# Altium PCB Hands_free_ControlUnit_V1.PcbDoc (part 1 of 3)
Units mm, origin at the board's own origin, x right, y up, seen from the top; angles counter-clockwise.
Board outline 60.25 x 90.27 mm, 2 copper layers (Top Layer, Bottom Layer); 33 components, 66 nets, 337 pads, 84 vias.
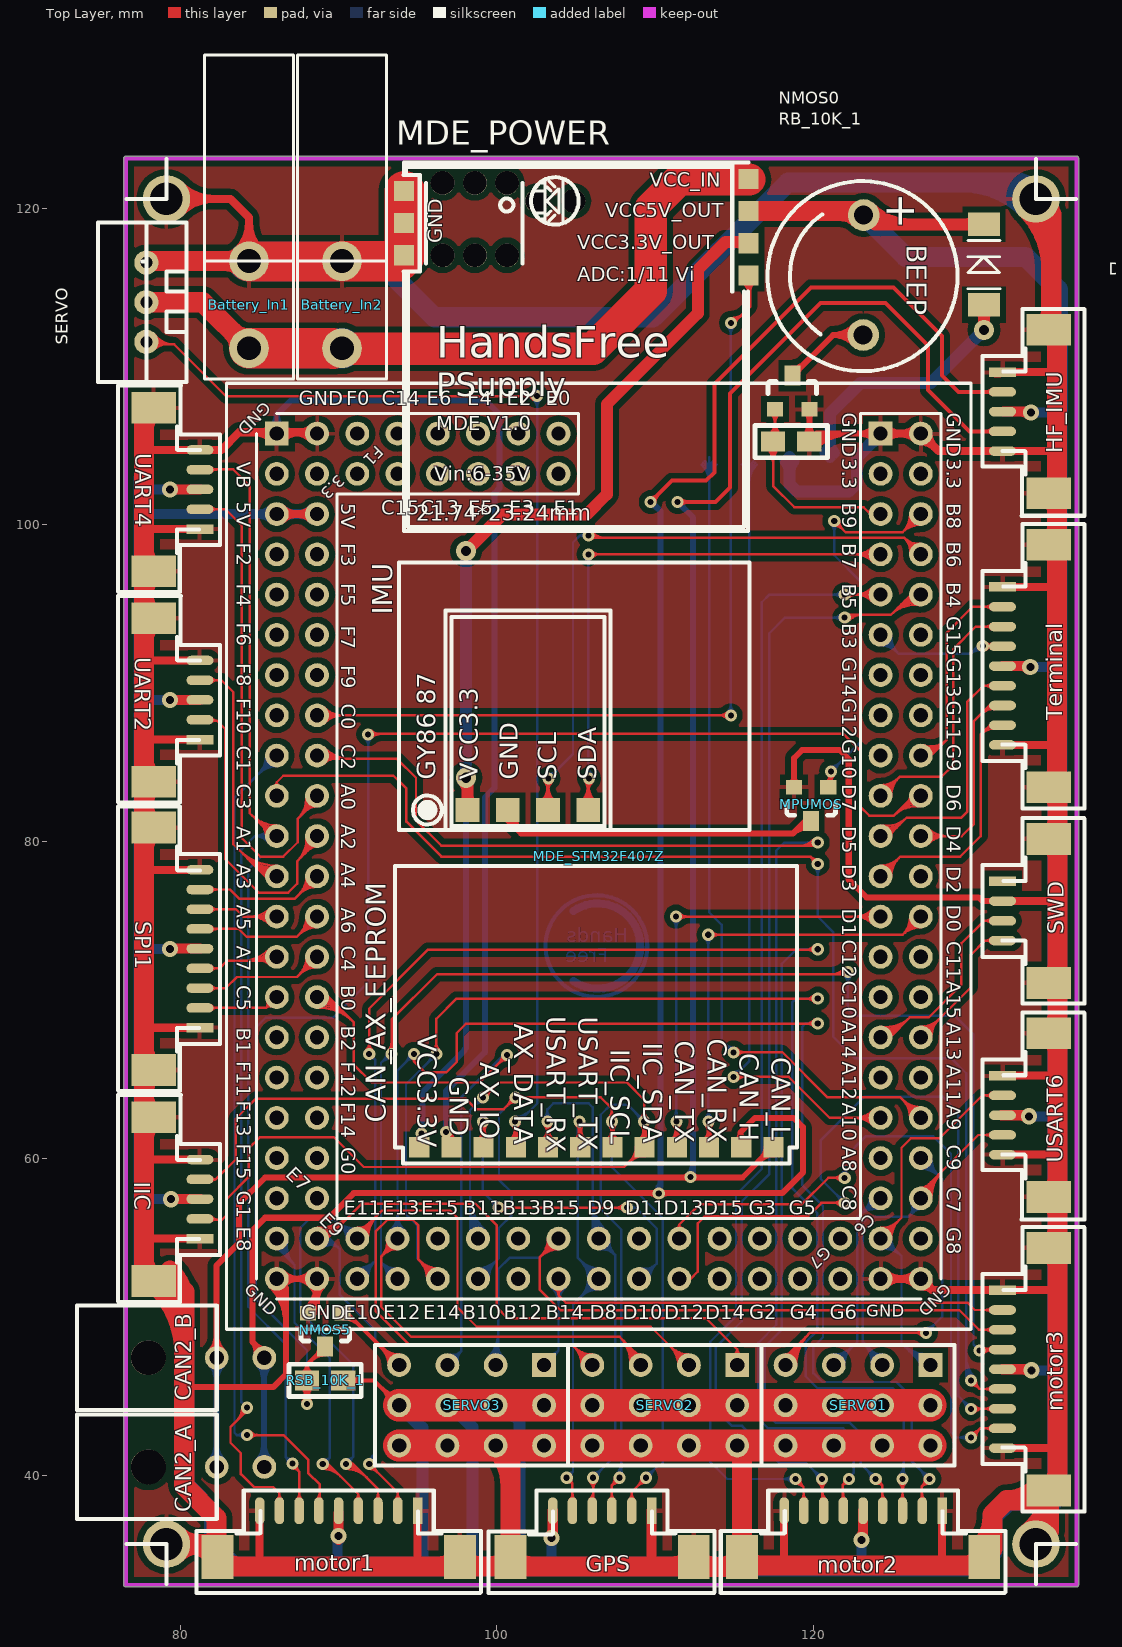
[diagram p0: Top Layer view]
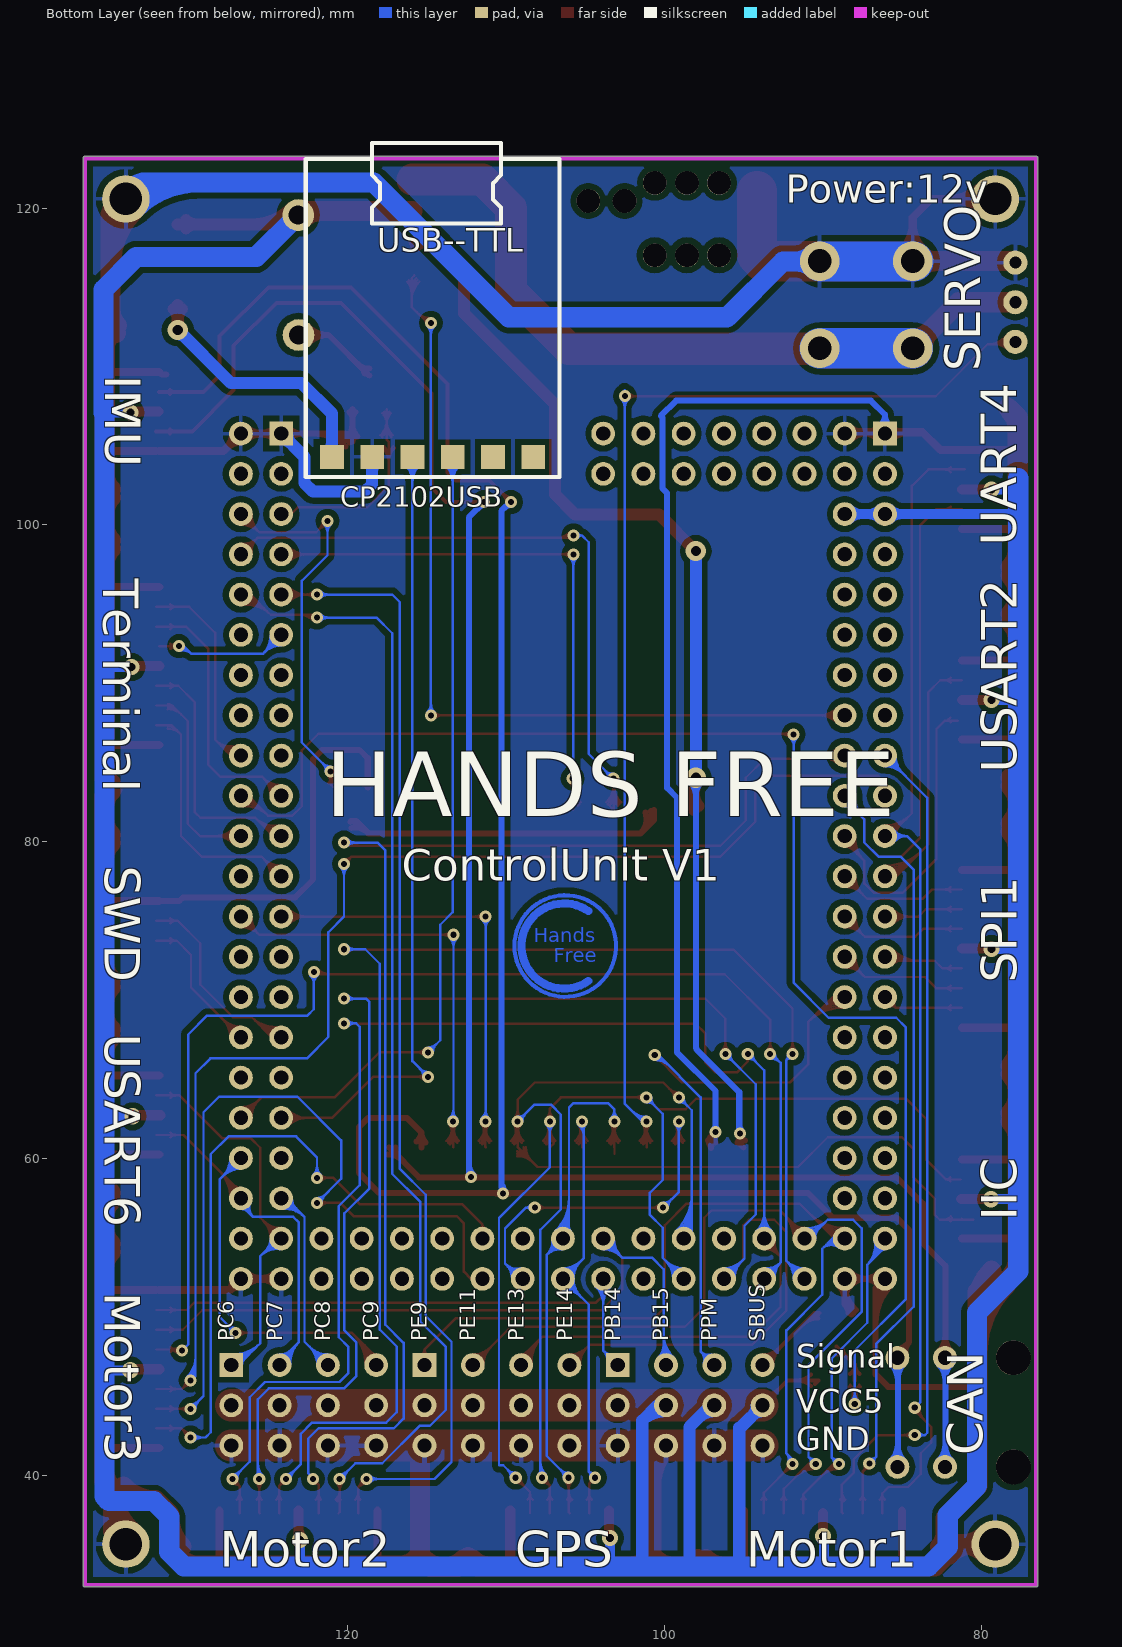
[diagram p1: Bottom Layer view, seen from below]

## Layer stack, top to bottom
Top Layer: signal copper 0.0356
Dielectric: dielectric 0.32, FR-4, Dk 4.8
Bottom Layer: signal copper 0.0356

## Board outline
76.454,33.122 76.454,123.063 cw(c76.581,123.063) 76.459,123.101 cw(c76.581,123.139) 76.581,123.267 136.576,123.267 cw(c136.576,123.139) 136.703,123.139 136.703,33.122 cw(c136.576,33.122) 136.576,32.994 76.581,32.994 cw(c76.581,33.122)

## Design rules (kind name [scope] priority, off if disabled: settings)
Clearance [All] p1: gap=0.203
ComponentClearance [All] p1 off: gap=0.254 collisioncheckmode=3 verticalgap=0.254 showdistances=FALSE
Height [All] p1 off: minheight=0 maxheight=25.4 prefheight=12.7
PolygonConnect [All] p1: connectstyle=Relief reliefconductorwidth=0.254 reliefentries=4 polygonreliefangle="90 Angle"
RoutingVias [All] p1: holewidth=0.381 width=0.762 viastyle="Through Hole" minholewidth=0.381 minwidth=0.762 maxholewidth=2.54 maxwidth=5.08
SilkscreenOverComponentPads [All] p1: minsilkscreentomaskgap=0.254
SolderMaskExpansion [All] p1: expansion=0.102
Width [All] p1: maxlimit=2.54 minlimit=0.152 preferedwidth=0.152
25 further rules are at their usual default settings.

## Components (designator, comment, footprint, x,y, rotation, side; value= is the part's Value field where it differs from the comment)
Battery_In1 "HDR_Header_Power_2P" HDR_MOLEX_POWER5557_DH_2P 84.353,111.15 r90 top
Battery_In2 "HDR_Header_Power_2P" HDR_MOLEX_POWER5557_DH_2P 90.221,111.15 r90 top
BEEP "ELE_蜂鸣器12*X" ELE_蜂鸣器_D_12*X 123.088,115.773 r270 top
CAN2_A "HDR_HEADER_CAN_DH_2P" HDR_MOLEX_CANMX3.0_DH_2P 85.319,40.564 r180 top
CAN2_B "HDR_HEADER_CAN_DH_2P" HDR_MOLEX_CANMX3.0_DH_2P 85.319,47.447 r180 top
CAN_AX_EEPROM "MDE_CAN_AX_EEPROM" MDE_CAN_AX_EEPROM 106.274,69.875 r0 top
"ControlUnit V1" "LOGO" LOGO 109.423,73.812 r180 bottom (schematic designator ControlUnit)
CP2102USB "MDE_CP2102-TTLUSB" MDE_CP2102-TTLUSB_BASE 108.306,104.292 r270 bottom
D1 "1N4148" ELE_D1206 133.274,113.894 r90 top
GPS "HANDS_FREE_GPS" HDR_Molex_PH_1.25_6P 109.753,37.795 r180 top
HF_IMU "HANDS_FREE_IMU" HDR_Molex_PH_1.25_5P 131.902,109.652 r270 top
IIC "HANDS_FREE_IIC" HDR_Molex_PH_1.25_5P 81.255,54.966 r90 top
IMU "MDE_GY86_87" MDE_GY86_GY87_BASE 93.828,80.747 r90 top
MDE_POWER "MDE_POWERSupply_5.0V_3.3V" MDE_POWERSupply_5.0V_3.3V 93.878,99.619 r0 top
MDE_STM32F407Z "MDE_UNIT3-CORE_STM32F407ZG" MDE_UNIT3-CORE_STM32F407ZG 106.426,79.099 r270 top
motor1 "*MOTOR" HDR_Molex_PH_1.25_9P 94.996,37.795 r180 top
motor2 "*MOTOR" HDR_Molex_PH_1.25_9P 128.092,37.795 r180 top
motor3 "*MOTOR" HDR_Molex_PH_1.25_9P 131.902,51.714 r270 top
MPUMOS "SIS412DN" CHP_SOT23_P_3P 120.904,83.439 r180 top
NMOS0 "SIS412DN" CHP_SOT23_P_3P 117.551,107.315 r0 top
NMOS5 "SIS412DN" CHP_SOT23_P_3P 90.246,50.267 r180 top
RB_10K_1 "ELE_RES_1" ELE_0805_P 119.71,105.258 r180 top
RSB_10K_1 "ELE_RES_1" ELE_0805_P 88.013,46.025 r0 top
SERVO "HDR_Header_1*3" HDR_数字舵机接口_D 77.876,111.557 r180 top
SERVO1 "HDR_Header_4*3" HDR_Header_3.00_DV_3*4 127.356,46.99 r180 top
SERVO2 "HDR_Header_4*3" HDR_Header_3.00_DV_3*4 115.164,46.99 r180 top
SERVO3 "HDR_Header_4*3" HDR_Header_3.00_DV_3*4 102.972,46.99 r180 top
SPI1 "HANDS_FREE_SPI" HDR_Molex_PH_1.25_9P 81.255,68.275 r90 top
SWD "HANDS_FREE_SWD" HDR_Molex_PH_1.25_4P 131.902,77.521 r270 top
Terminal "HANDS_FREE_TERMINAL" HDR_Molex_PH_1.25_9P 131.902,96.088 r270 top
UART2 "HANDS_FREE_USART" HDR_Molex_PH_1.25_5P 81.255,86.462 r90 top
UART4 "HANDS_FREE_USART" HDR_Molex_PH_1.25_5P 81.255,99.746 r90 top
USART6 "HANDS_FREE_USART" HDR_Molex_PH_1.25_5P 131.902,65.253 r270 top

## Footprints (in the part's own frame and the unit in brackets; to place one, negate y for a bottom-side part, rotate by r counter-clockwise, add the part's x,y. Pads: shape width x height; smd on the part's side, far side on the other; paste and mask are expansions set on the pad)
CHP_SOT23_P_3P [mil]
  rect 40x36 smd: 1(0,0) 2(85,0)
  rect 40x50 smd: 3(43,83)
  silkscreen extent -18,39 103,69
ELE_0805_P [mil]
  rect 60x50 smd: 1(0,0) 2(90,0)
  silkscreen extent -45,-40 135,40
ELE_D1206 [mm]
  rect 1.5x2 smd: 1(0,2.54) 2(5.08,2.54)
  silkscreen extent 1.02,1.52 4.06,3.56
ELE_蜂鸣器_D_12*X [mm]
  round 2 hole 1.2: 1(-3.785,0.051) 2(3.785,0.025)
  silkscreen extent -5.93,-6.02 6.07,5.97
HDR_Header_3.00_DV_3*4 [mm] "Connector; Header; 10x2 Position"
  rect 1.5x1.5 hole 0.9: 1(0,0)
  round 1.5 hole 0.9: 2(0,2.54) 3(0,5.08) 4(3.048,0) 5(3.048,2.54) 6(3.048,5.08) 7(6.096,0) 8(6.096,2.54) 9(6.096,5.08) 10(9.144,0) 11(9.144,2.54) 12(9.144,5.08)
  silkscreen extent -1.52,-1.27 10.67,6.35
HDR_MOLEX_CANMX3.0_DH_2P [mm]
  round 1.5 hole 0.9: 1(0,0) 2(3,0)
  round 2.2 hole 2.2: 3(7.315,0)
  silkscreen extent 3,-3.3 11.81,3.3
HDR_Molex_PH_1.25_4P [mm]
  rect 0.6x1.7 smd: 1(0,0)
  oval 0.6x1.7 smd: 2(1.25,0) 3(2.5,0) 4(3.745,0)
  rect 2x2.8 smd: 5(-2.667,2.921) 6(6.417,2.921)
  silkscreen extent -3.99,-1.27 7.72,5.18
HDR_Molex_PH_1.25_5P [mm]
  rect 0.6x1.7 smd: 1(0,0)
  oval 0.6x1.7 smd: 2(1.25,0) 3(2.5,0) 4(3.745,0) 5(4.989,0)
  rect 2x2.8 smd: 6(-2.667,2.921) 7(7.656,2.921)
  silkscreen extent -3.99,-1.27 9.07,5.18
HDR_Molex_PH_1.25_6P [mm]
  rect 0.6x1.7 smd: 1(0,0)
  oval 0.6x1.7 smd: 2(1.25,0) 3(2.5,0) 4(3.745,0) 5(4.989,0) 6(6.234,0)
  rect 2x2.8 smd: 7(-2.667,2.921) 8(8.901,2.921)
  silkscreen extent -3.99,-1.27 10.29,5.18
HDR_Molex_PH_1.25_9P [mm]
  rect 0.6x1.7 smd: 1(0,0)
  oval 0.6x1.7 smd: 2(1.25,0) 3(2.5,0) 4(3.745,0) 5(4.989,0) 6(6.234,0) 7(7.478,0) 8(8.723,0) 9(9.968,0)
  rect 2x2.8 smd: 10(-2.667,2.921) 11(12.635,2.921)
  silkscreen extent -3.99,-1.27 13.97,5.18
HDR_MOLEX_POWER5557_DH_2P [mm]
  round 2.5 hole 1.5: 1(0,0) 2(5.5,0)
  silkscreen extent -1.95,-2.8 18.5,2.8
HDR_数字舵机接口_D [mil]
  round 60 hole 30: 1(0,0) 2(0,-98.43) 3(0,-196.85)
  silkscreen extent -100,-297 120,100
LOGO [mm]
  Top Layer circle w0.254: c3.145,-0.381 r3.205
  Top Layer lines w0.508: 4.605,1.821 ccw(c3.066,-0.382) 4.594,-2.593
MDE_CAN_AX_EEPROM [mil]
  rect 50x50 smd: 1(440,-360) 2(360,-360) 3(280,-360) 4(200,-360) 5(120,-360) 6(40,-360) 7(-40,-360) 8(-120,-360) 9(-200,-360) 10(-280,-360) 11(-360,-360) 12(-440,-360)
  silkscreen extent -500,-400 498,339
MDE_CP2102-TTLUSB_BASE [mil]
  rect 59x59 smd: 1(0,0) 2(0,-100) 3(0,-200) 4(0,-300) 5(0,-400) 6(0,-500)
  silkscreen extent -780,-565 50,65
MDE_GY86_GY87_BASE [mil]
  rect 59x59 smd: 1(50,-170) 2(50,-270) 3(50,-370) 4(50,-470)
  silkscreen extent 0,-870 665,0
MDE_POWERSupply_5.0V_3.3V [mil]
  round 59.06 hole 59.06: 0(106,685) 0(106,865) 0(186,685) 0(186,865) 0(266,685) 0(266,865) 0(341,820) 0(431,820)
  rect 50x50 smd: 1(866,875) 2(866,795) 3(866,715) 4(866,635) 5(10,685) 5(10,765) 5(10,845)
  silkscreen extent 9,0 866,915
MDE_UNIT3-CORE_STM32F407ZG [mm]
  round 1.5 hole 0.9: 1(-26.67,-5.08) 2(-24.13,-5.08) 3(-26.67,-7.62) 4(-24.13,-7.62) 5(-26.67,-10.16) 6(-24.13,-20.32) 7(-24.13,-10.16) 8(-26.67,-12.7) 9(-24.13,-12.7) 10(-26.67,-15.24) 11(-24.13,-15.24) 12(-19.05,-20.32) 13(-19.05,-17.78) 14(-16.51,-20.32) 15(-16.51,-17.78) 18(-13.97,-20.32) 19(-13.97,-17.78) 20(-11.43,-20.32) 21(-11.43,-17.78) 22(-8.89,-20.32) 26(-8.89,-17.78) 27(-6.35,-20.32) 28(-6.35,-17.78) 29(-3.81,-20.32) 34(-3.81,-17.78) 35(-1.27,-20.32) 36(-1.27,-17.78) 37(1.27,-20.32) 40(1.27,-17.78) 41(3.81,-20.32) 42(3.81,-17.78) 43(6.35,-20.32) 44(6.35,-17.78) 45(8.89,-20.32) 46(8.89,-17.78) 47(11.43,-20.32) 48(11.43,-17.78) 49(13.97,-20.32) 50(13.97,-17.78) 53(16.51,-20.32) 54(16.51,-17.78) 55(19.05,-20.32) 56(19.05,-17.78) 57(21.59,-20.32) 58(21.59,-17.78) 59(24.13,-20.32) 60(24.13,-17.78) 63(26.67,-15.24) 64(24.13,-15.24) 65(26.67,-12.7) 66(24.13,-12.7) 67(26.67,-10.16) 68(24.13,-10.16) 69(26.67,-7.62) 70(24.13,-7.62) 73(26.67,-5.08) 74(24.13,-5.08) 75(26.67,-2.54) 76(24.13,-2.54) 77(26.67,0) 78(24.13,0) 79(26.67,2.54) 80(24.13,2.54) 81(26.67,5.08) 82(24.13,5.08) 85(26.67,7.62) 86(24.13,7.62) 87(26.67,10.16) 88(24.13,10.16) 89(26.67,12.7) 90(24.13,12.7) 91(26.67,15.24) 92(24.13,15.24) 93(24.13,20.32) 96(24.13,17.78) 97(21.59,20.32) 98(21.59,17.78) 99(19.05,20.32) 100(19.05,17.78) 101(16.51,20.32) 102(16.51,17.78) 103(13.97,20.32) 104(13.97,17.78) 105(11.43,20.32) 109(11.43,17.78) 110(8.89,20.32) 111(8.89,17.78) 112(6.35,20.32) 113(6.35,17.78) 114(3.81,20.32) 115(3.81,17.78) 116(1.27,20.32) 117(1.27,17.78) 118(-1.27,20.32) 119(-1.27,17.78) 122(-3.81,20.32) 123(-3.81,17.78) 124(-6.35,20.32) 125(-6.35,17.78) 126(-8.89,20.32) 127(-8.89,17.78) 128(-11.43,20.32) 129(-11.43,17.78) 132(-13.97,20.32) 133(-13.97,17.78) 134(-16.51,20.32) 135(-16.51,17.78) 136(-19.05,20.32) 137(-19.05,17.78) 139(-21.59,20.32) 140(-21.59,17.78) 141(-26.67,-2.54) 142(-24.13,-2.54) 200(-21.59,-17.78) 201(-21.59,-20.32) 202(-24.13,20.32) 203(-24.13,17.78) 206(-26.67,-17.78) 207(-24.13,-17.78) 210(26.67,-20.32) 211(26.67,-17.78) 212(26.67,17.78) 213(26.67,20.32) 214(-26.67,20.32)
  rect 1.5x1.5 hole 0.9: 208(-26.67,-20.32) 215(-26.67,17.78)
  silkscreen extent -29.85,-23.5 29.85,23.5

## Part data
CP2102USB: "CP2102模块"
D1: library part ELE_Diode, "二?"
IMU: "IMUģ?"
motor1 motor2 motor3: library part HANDS_FREE_MOTOR
MPUMOS NMOS0 NMOS5: library part ELE_NMOS_1, "MOS管"
RB_10K_1 RSB_10K_1: "电?"

## Free pads (board coordinates)
  round 3 hole 2.05: 1(79.146,120.574) 2(134.01,120.574) 3(134.01,35.687) 4(79.146,35.687)

## Via types
v1: diameter 0.762, hole 0.381, Top Layer to Bottom Layer, 70 vias
v2: diameter 1.016, hole 0.508, Top Layer to Bottom Layer, 11 vias
v3: diameter 1.27, hole 0.635, Top Layer to Bottom Layer, 3 vias

## Nets (pads, with @x,y where several pads share a name; then routed paths per layer and width w, separated by ;. In a path a pad name is that pad's centre, name@x,y a point inside that pad or via, vN(x,y) a via of type N, cw(c..) or ccw(c..) an arc to the next point about the centre after c; other vN are vias at no path point)
ADC_IN_POWER: MDE_POWER.4 MDE_STM32F407Z.26 | length 70.4
  Top Layer w0.152: MDE_STM32F407Z.26@88.646,87.989 114.71,87.989 v1@114.757,88.036 ; MDE_STM32F407Z.26@88.907,87.728 cw(c89.537,87.098) 89.537,87.989 cw(c89.537,88.88) MDE_STM32F407Z.26@88.907,88.25 ; MDE_STM32F407Z.26@89.015,87.62 cw(c89.905,86.73) 89.905,87.989 cw(c89.905,89.248) MDE_STM32F407Z.26@89.015,88.358 ; MDE_STM32F407Z.26@89.122,87.513 cw(c90.273,86.362) 90.273,87.989 cw(c90.273,89.616) MDE_STM32F407Z.26@89.122,88.466 ; 114.013,87.989 cw(c114.013,87.241) v1@114.542,87.77 ; 114.03,87.989 ccw(c114.03,88.713) v1@114.542,88.201 ; v1@114.757,112.547 115.976,113.767 115.976,115.57 MDE_POWER.4@115.799,115.748 ; v1@114.757,112.903 ccw(c114.757,113.761) 115.364,113.154 ; v1@114.757,113.055 ccw(c114.757,114.282) 115.624,113.415 ; v1@115.062,112.751 cw(c115.307,112.751) 115.134,112.924 ; MDE_POWER.4@115.48,115.353 cw(c114.28,114.153) 115.976,114.153 ; MDE_POWER.4@115.587,115.46 cw(c114.648,114.521) 115.976,114.521 ; MDE_POWER.4@115.695,115.568 cw(c115.016,114.889) 115.976,114.889 ; 115.976,114.644 cw(c116.979,114.644) MDE_POWER.4@116.27,115.353 ; 115.976,115.012 cw(c116.611,115.012) MDE_POWER.4@116.162,115.46
  Bottom Layer w0.152: v1@114.542,88.201 ccw(c114.021,88.721) 114.757,88.721 ccw(c115.493,88.721) v1@114.973,88.201 ; v1@114.542,112.535 cw(c114.021,112.015) 114.757,112.015 cw(c115.493,112.015) v1@114.973,112.535 ; v1@114.706,87.935 v1(114.757,87.986) v1(114.757,112.751)
AX_DATA: CAN_AX_EEPROM.9 SERVO.1 | length 92.2
  Top Layer w0.152: SERVO.1@77.724,111.404 79.629,111.404 ; SERVO.1@78.054,111.7 ccw(c78.673,112.199) 78.673,111.404 ; SERVO.1@78.173,111.796 ccw(c78.992,112.456) 78.992,111.404 ; SERVO.1@78.254,111.18 cw(c78.796,110.637) 78.796,111.404 ; SERVO.1@78.292,111.892 ccw(c79.31,112.713) 79.31,111.404 ; SERVO.1@78.361,111.072 cw(c79.164,110.269) 79.164,111.404 ; SERVO.1@78.41,111.987 ccw(c79.629,112.97) 79.629,111.404 ; CAN_AX_EEPROM.9@100.798,61.127 ccw(c99.958,61.967) 101.146,61.967 ; CAN_AX_EEPROM.9@100.906,61.019 ccw(c100.326,61.599) 101.146,61.599 ; v1@100.931,62.141 cw(c100.411,61.621) 101.146,61.621 cw(c101.882,61.621) v1@101.362,62.141 ; v1@100.985,62.099 cw(c100.66,61.58) 101.256,61.717 ; CAN_AX_EEPROM.9@101.143,60.731 101.146,60.735 v1(101.146,62.357) ; 101.146,61.458 ccw(c101.921,61.458) CAN_AX_EEPROM.9@101.373,60.911 ; 101.146,61.826 ccw(c102.289,61.826) CAN_AX_EEPROM.9@101.481,61.019 ; v1@101.146,62.194 ccw(c102.657,62.194) CAN_AX_EEPROM.9@101.589,61.127 ; 101.205,61.939 cw(c101.604,62.031) v1@101.271,62.269 ; 101.281,61.609 cw(c101.974,61.768) v1@101.395,62.18 ; v1@102.299,107.912 ccw(c101.779,107.392) 101.779,108.128 ccw(c101.779,108.864) v1@102.299,108.343 ; v1(102.514,108.128) 82.906,108.128 79.629,111.404
  Bottom Layer w0.152: v1@101.146,62.509 ccw(c101.146,63.482) 101.834,62.794 ; v1@101.146,62.662 ccw(c101.146,64.002) 102.094,63.054 ; 101.574,62.534 cw(c101.146,62.961) v1(101.146,62.357) 101.397,62.357 102.54,63.5 102.54,108.509 ; v1@102.299,107.912 cw(c101.717,107.331) 102.54,107.331 ; v1@102.407,108.02 cw(c102.085,107.699) 102.54,107.699 ; 102.54,107.453 cw(c103.189,107.453) v1@102.73,107.912
AX_IO: CAN_AX_EEPROM.10 MDE_STM32F407Z.79 | length 38.3
  Top Layer w0.152: CAN_AX_EEPROM.10@98.766,61.127 ccw(c97.935,61.958) 99.111,61.958 ; CAN_AX_EEPROM.10@98.874,61.019 ccw(c98.303,61.59) 99.111,61.59 ; v1@98.895,62.141 cw(c98.375,61.621) 99.111,61.621 cw(c99.847,61.621) v1@99.326,62.141 ; v1@98.949,62.099 cw(c98.622,61.575) 99.224,61.714 ; CAN_AX_EEPROM.10@99.111,60.731 v1(99.111,62.357) ; 99.111,61.467 ccw(c99.897,61.467) CAN_AX_EEPROM.10@99.341,60.911 ; 99.111,61.835 ccw(c100.265,61.835) CAN_AX_EEPROM.10@99.449,61.019 ; v1@99.111,62.203 ccw(c100.633,62.203) CAN_AX_EEPROM.10@99.557,61.127 ; 99.172,61.939 cw(c99.576,62.032) v1@99.236,62.27 ; 99.249,61.605 cw(c99.955,61.768) v1@99.361,62.183 ; v1(100.101,56.921) v1(108.204,56.921) ; v1@100.317,56.706 cw(c100.837,56.186) 100.837,56.921 cw(c100.837,57.657) v1@100.317,57.137 ; v1@107.988,56.706 ccw(c107.468,56.186) 107.468,56.921 ccw(c107.468,57.657) v1@107.988,57.137
  Bottom Layer w0.152: v1@98.895,62.141 cw(c98.375,61.621) 99.111,61.621 cw(c99.847,61.621) v1@99.326,62.141 ; v1(99.111,62.357) 99.111,57.912 v1(100.101,56.921) ; v1@99.797,56.921 ccw(c99.061,56.921) 99.581,57.442 ccw(c100.101,57.962) v1@100.101,57.226 ; v1(108.204,56.921) 108.763,56.921 ; v1@108.46,56.756 cw(c108.763,56.562) 108.763,56.921 ; v1@108.46,57.086 ccw(c108.763,57.281) 108.763,56.921 ; MDE_STM32F407Z.79@108.966,52.429 109.122,52.429 110.084,53.391 ; MDE_STM32F407Z.79@109.037,52.791 ccw(c109.175,53.491) 109.679,52.987 ; MDE_STM32F407Z.79@109.067,52.941 ccw(c109.242,53.829) 109.881,53.189 ; MDE_STM32F407Z.79@109.096,53.09 ccw(c109.308,54.166) 110.084,53.391 ; MDE_STM32F407Z.79@109.487,52.429 cw(c110.37,52.429) 109.746,53.053 ; MDE_STM32F407Z.79@109.64,52.429 cw(c110.89,52.429) 110.006,53.313 ; 108.763,56.921 110.084,55.601 110.084,53.391
BEEP: MDE_STM32F407Z.140 NMOS0.1 RB_10K_1.2 | length 22.7
  Top Layer w0.152: RB_10K_1.2@117.029,104.862 cw(c116.075,103.909) 117.424,103.909 cw(c118.773,103.909) RB_10K_1.2@117.819,104.862 ; RB_10K_1.2@117.137,104.97 cw(c116.443,104.276) 117.424,104.276 cw(c118.405,104.276) RB_10K_1.2@117.712,104.97 ; RB_10K_1.2@117.156,105.653 ccw(c116.202,106.607) 117.551,106.607 ccw(c118.9,106.607) RB_10K_1.2@117.946,105.653 ; RB_10K_1.2@117.264,105.545 ccw(c116.57,106.239) 117.551,106.239 ccw(c118.532,106.239) RB_10K_1.2@117.839,105.545 ; NMOS0.1@117.282,107.046 cw(c116.631,106.395) 117.551,106.395 cw(c118.471,106.395) NMOS0.1@117.821,107.046 ; NMOS0.1@117.39,107.153 cw(c116.999,106.763) 117.551,106.763 cw(c118.103,106.763) NMOS0.1@117.713,107.153 ; NMOS0.1@117.551,107.315 117.551,105.385 RB_10K_1.2@117.424,105.258 117.424,102.464 118.77,101.117 123.139,101.117 123.568,100.689 MDE_STM32F407Z.140@124.206,100.689
  Bottom Layer w0.152: MDE_STM32F407Z.140@123.727,101.168 MDE_STM32F407Z.140@124.206,100.689
CAN1_H: CAN2_A.1 CAN2_B.1 CAN_AX_EEPROM.2 HF_IMU.2 | length 151.1
  Top Layer w0.254: v1(109.703,101.448) 111.049,102.794 113.182,102.794 113.716,103.327 113.716,108.89 119.812,114.986 125.019,114.986 128.092,111.912 128.092,109.423 129.114,108.402 HF_IMU.2@131.902,108.402 ; v1@109.703,101.702 ccw(c109.703,102.315) 110.136,101.881 ccw(c110.57,101.448) v1@109.957,101.448 ; HF_IMU.2@131.23,108.279 ccw(c130.935,107.984) 130.935,108.402 ccw(c130.935,108.819) HF_IMU.2@131.23,108.524
  Top Layer w0.381: CAN2_B.1@84.785,47.614 ccw(c84.003,47.859) 84.582,48.438 ; 84.797,48.223 ccw(c85.319,48.744) CAN2_B.1@85.319,48.007 ; CAN2_B.1@85.293,47.727 84.582,48.438 ; 109.689,57.836 cw(c109.689,57.289) v1@110.076,57.676 ; 109.812,57.836 ccw(c109.812,58.209) v1@110.076,57.945 ; v1@110.345,57.676 cw(c110.732,57.289) 110.732,57.836 ; v1@110.345,57.945 ccw(c110.609,58.209) 110.609,57.836 ; CAN_AX_EEPROM.2@115.106,61.048 ccw(c114.493,61.671) 115.367,61.671 ; CAN_AX_EEPROM.2@115.367,60.731 115.367,61.671 ; CAN_AX_EEPROM.2@115.669,61.098 cw(c116.061,61.671) 115.367,61.671 ; 84.582,48.438 84.582,55.499 85.369,56.286 89.408,56.286 90.957,57.836 118.008,57.836 119.304,59.131 119.304,62.001 118.72,62.586 116.281,62.586 115.367,61.671
  Bottom Layer w0.381: CAN2_A.1@84.923,40.959 ccw(c84.029,41.853) 85.293,41.853 ; CAN2_B.1@84.923,47.052 cw(c84.029,46.158) 85.293,46.158 ; CAN2_A.1@85.293,40.843 CAN2_B.1@85.293,47.727 ; 85.293,41.976 ccw(c86.731,41.976) CAN2_A.1@85.714,40.959 ; 85.293,46.035 cw(c86.731,46.035) CAN2_B.1@85.714,47.052 ; v1@109.703,101.257 cw(c109.703,100.675) 110.115,101.086 ; v1@109.703,101.498 110.312,100.889 110.312,58.344 ; v1@110.076,57.945 ccw(c109.505,58.516) 110.312,58.516 ; v1@110.082,57.951 ccw(c109.817,58.242) 110.211,58.242 ; v1@110.108,57.971 ccw(c109.87,58.344) 110.312,58.344 ; v1(110.211,57.81) 110.211,58.242 ; v1@110.339,57.951 cw(c110.605,58.242) 110.211,58.242 ; 110.211,58.242 110.312,58.344
CAN1_L: CAN2_A.2 CAN2_B.2 CAN_AX_EEPROM.1 HF_IMU.4 | length 142.1
  Top Layer w0.254: v1(111.404,101.448) 113.792,101.448 114.706,102.362 114.706,108.306 120.421,114.021 124.511,114.021 127.203,111.328 127.203,108.509 129.805,105.907 HF_IMU.4@132.105,105.907 ; v1@111.584,101.268 cw(c112.018,100.834) 112.018,101.448 cw(c112.018,102.061) v1@111.584,101.627 ; HF_IMU.4@131.23,105.785 ccw(c130.935,105.49) 130.935,105.907 ccw(c130.935,106.325) HF_IMU.4@131.23,106.03
  Top Layer w0.381: CAN2_B.2@81.923,47.843 ccw(c81.029,48.737) 82.293,48.737 ; CAN2_B.2@82.293,47.727 82.293,53.261 83.718,54.686 83.718,57.175 85.369,58.826 115.494,58.826 CAN_AX_EEPROM.1@117.399,60.731 ; 82.293,48.859 ccw(c83.731,48.859) CAN2_B.2@82.714,47.843 ; 111.696,58.826 ccw(c111.696,59.373) v1@112.082,58.987 ; 111.819,58.826 cw(c111.819,58.453) v1@112.082,58.717 ; v1@112.352,58.717 cw(c112.616,58.453) 112.616,58.826 ; v1@112.352,58.987 ccw(c112.738,59.373) 112.738,58.826 ; 116.604,59.937 cw(c117.45,59.091) CAN_AX_EEPROM.1@117.45,60.287 ; 116.727,60.059 ccw(c116.055,60.731) CAN_AX_EEPROM.1@117.005,60.731
  Bottom Layer w0.381: CAN2_A.2@81.923,40.959 ccw(c81.029,41.853) 82.293,41.853 ; CAN2_B.2@81.923,47.052 cw(c81.029,46.158) 82.293,46.158 ; CAN2_A.2@82.293,40.843 CAN2_B.2@82.293,47.727 ; 82.293,41.976 ccw(c83.731,41.976) CAN2_A.2@82.714,40.959 ; 82.293,46.035 cw(c83.731,46.035) CAN2_B.2@82.714,47.052 ; v1@111.404,101.257 cw(c111.404,100.797) 111.73,101.122 cw(c112.055,101.448) v1@111.595,101.448 ; v1(111.404,101.448) 112.37,100.482 112.37,59.106 112.217,58.953 v1(112.217,58.852) ; v1@112.082,58.987 ccw(c111.389,59.68) 112.37,59.68
CAN1_RX: CAN_AX_EEPROM.3 MDE_STM32F407Z.114 | length 45
  Top Layer w0.152: CAN_AX_EEPROM.3@112.99,61.127 ccw(c112.098,62.019) v1@113.36,62.019 ; CAN_AX_EEPROM.3@113.098,61.019 ccw(c112.466,61.651) 113.36,61.651 ; v1@113.145,62.141 cw(c112.624,61.621) 113.36,61.621 cw(c114.096,61.621) v1@113.576,62.141 ; v1@113.15,62.136 cw(c112.813,61.781) 113.293,61.684 ; v1@113.197,62.1 cw(c112.887,61.614) 113.45,61.739 ; v1@113.255,62.247 cw(c113.037,62.017) 113.347,61.955 ; 113.312,61.781 cw(c113.809,61.68) v1@113.529,62.103 ; CAN_AX_EEPROM.3@113.335,60.731 113.36,60.757 v1(113.36,62.357) ; v1(113.335,74.143) 125.6,74.143 ; 113.36,61.406 ccw(c114.06,61.406) CAN_AX_EEPROM.3@113.565,60.911 ; 113.36,61.774 ccw(c114.428,61.774) CAN_AX_EEPROM.3@113.673,61.019 ; v1@113.36,62.142 ccw(c114.796,62.142) CAN_AX_EEPROM.3@113.781,61.127 ; 113.405,61.941 cw(c113.776,62.024) v1@113.479,62.262 ; 113.474,61.631 cw(c114.095,61.769) v1@113.598,62.167 ; v1@113.55,73.927 cw(c114.071,73.407) 114.071,74.143 cw(c114.071,74.878) v1@113.55,74.358 ; MDE_STM32F407Z.114@126.072,75.288 cw(c124.459,75.284) 125.6,74.143 ; MDE_STM32F407Z.114@126.225,75.288 cw(c124.976,75.285) 125.859,74.402 cw(c126.742,73.519) MDE_STM32F407Z.114@126.745,74.768 ; MDE_STM32F407Z.114@126.377,75.288 cw(c125.493,75.286) 126.118,74.661 cw(c126.743,74.036) MDE_STM32F407Z.114@126.745,74.92 ; MDE_STM32F407Z.114@126.744,74.615 ccw(c126.741,73.002) 125.6,74.143 ; MDE_STM32F407Z.114@126.746,75.289 125.6,74.143
  Bottom Layer w0.152: v1@113.119,73.927 cw(c112.599,73.407) 113.335,73.407 cw(c114.071,73.407) v1@113.55,73.927 ; v1@113.145,62.573 ccw(c112.686,63.032) 113.335,63.032 ; 113.335,62.786 ccw(c113.789,62.786) v1@113.468,62.465 ; 113.335,63.154 ccw(c114.157,63.154) v1@113.576,62.573 ; v1(113.335,74.143) 113.335,62.382 v1(113.36,62.357)
CAN1_TX: CAN_AX_EEPROM.4 MDE_STM32F407Z.115 | length 45.2
  Top Layer w0.152: CAN_AX_EEPROM.4@110.958,61.127 ccw(c110.075,62.01) v1@111.325,62.01 ; CAN_AX_EEPROM.4@111.066,61.019 ccw(c110.443,61.642) 111.325,61.642 ; v1@111.109,62.141 cw(c110.589,61.621) 111.325,61.621 cw(c112.06,61.621) v1@111.54,62.141 ; v1@111.117,62.134 cw(c110.789,61.783) 111.26,61.688 ; v1@111.161,62.1 cw(c110.849,61.608) 111.417,61.735 ; v1@111.221,62.246 cw(c111.008,62.017) 111.314,61.956 ; 111.279,61.783 cw(c111.772,61.685) v1@111.494,62.103 ; CAN_AX_EEPROM.4@111.303,60.731 111.325,60.753 v1(111.325,62.357) ; v1(111.303,75.289) MDE_STM32F407Z.115@124.206,75.289 ; 111.325,61.415 ccw(c112.037,61.415) CAN_AX_EEPROM.4@111.533,60.911 ; 111.325,61.783 ccw(c112.405,61.783) CAN_AX_EEPROM.4@111.641,61.019 ; v1@111.325,62.151 ccw(c112.773,62.151) CAN_AX_EEPROM.4@111.749,61.127 ; 111.371,61.941 cw(c111.748,62.025) v1@111.444,62.263 ; 111.442,61.627 cw(c112.074,61.769) v1@111.564,62.169 ; v1@111.518,75.074 cw(c112.039,74.553) 112.039,75.289 cw(c112.039,76.025) v1@111.518,75.505 ; MDE_STM32F407Z.115@123.73,74.813 ccw(c122.579,73.662) 122.579,75.289 ccw(c122.579,76.916) MDE_STM32F407Z.115@123.73,75.766 ; MDE_STM32F407Z.115@123.837,74.92 ccw(c122.947,74.03) 122.947,75.289 ccw(c122.947,76.548) MDE_STM32F407Z.115@123.837,75.658 ; MDE_STM32F407Z.115@123.945,75.028 ccw(c123.315,74.398) 123.315,75.289 ccw(c123.315,76.18) MDE_STM32F407Z.115@123.945,75.55
  Bottom Layer w0.152: v1@111.087,75.074 cw(c110.567,74.553) 111.303,74.553 cw(c112.039,74.553) v1@111.518,75.074 ; v1@111.109,62.573 ccw(c110.641,63.04) 111.303,63.04 ; 111.303,62.777 ccw(c111.745,62.777) v1@111.432,62.465 ; 111.303,63.145 ccw(c112.113,63.145) v1@111.54,62.573 ; v1(111.303,75.289) 111.303,62.379 v1(111.325,62.357)
GND_CHIP: Battery_In1.2 Battery_In2.2 CAN_AX_EEPROM.11 CP2102USB.5 GPS.1 GPS.7 GPS.8 HF_IMU.1 HF_IMU.5 HF_IMU.6 HF_IMU.7 IIC.1 IIC.5 IIC.6 IIC.7 MDE_POWER.5 MDE_STM32F407Z.206 MDE_STM32F407Z.208 MDE_STM32F407Z.210 MDE_STM32F407Z.211 MDE_STM32F407Z.212 MDE_STM32F407Z.213 MDE_STM32F407Z.214 MDE_STM32F407Z.215 motor1.1 motor1.9 motor1.10 motor1.11 motor2.1 motor2.9 motor2.10 motor2.11 motor3.1 motor3.9 motor3.10 motor3.11 MPUMOS.2 NMOS0.2 NMOS5.2 pad.1 pad.2 pad.3 pad.4 RB_10K_1.1 SERVO1.3 SERVO1.6 SERVO1.9 SERVO1.12 SERVO2.3 SERVO2.6 SERVO2.9 SERVO2.12 SERVO3.3 SERVO3.6 SERVO3.9 SERVO3.12 SERVO.3 SPI1.1 SPI1.9 SPI1.10 SPI1.11 SWD.2 SWD.5 SWD.6 Terminal.1 Terminal.9 Terminal.10 Terminal.11 UART2.1 UART2.5 UART2.6 UART2.7 UART4.1 UART4.5 UART4.6 UART4.7 USART6.1 USART6.5 USART6.6 USART6.7 | length 739
  Top Layer w0.254: RB_10K_1.1@119.71,105.258 RB_10K_1.1@119.786,105.181 ; MDE_STM32F407Z.215@124.203,105.766 MDE_STM32F407Z.215@124.206,105.769
  Top Layer w0.381: 77.724,54.991 77.749,54.966 ; 77.724,60.122 77.891,59.955 ; 80.264,46.025 80.67,45.618 85.903,45.618 86.69,46.406 86.69,51.845 ; 84.811,34.29 85.028,34.508 ; MDE_STM32F407Z.210@85.71,52.033 cw(c83.345,49.668) 86.69,49.668 ; MDE_STM32F407Z.210@85.98,52.303 cw(c84.265,50.588) 86.69,50.588 ; MDE_STM32F407Z.210@86.249,52.572 cw(c85.184,51.508) 86.69,51.508 ; MDE_STM32F407Z.210@86.327,51.915 cw(c86.457,51.611) 86.69,51.845 ; MDE_STM32F407Z.210@86.502,52.033 cw(c87.457,51.078) 87.457,52.429 cw(c87.457,53.78) MDE_STM32F407Z.210@86.502,52.825 ; MDE_STM32F407Z.210@86.62,52.209 ccw(c86.924,52.078) 86.69,51.845 ; NMOS5.2@87.949,50.455 ccw(c86.268,52.137) MDE_STM32F407Z.211@88.646,52.137 ; NMOS5.2@88.087,50.267 88.646,50.825 MDE_STM32F407Z.211@88.646,52.429 MDE_STM32F407Z.210@86.106,52.429 86.69,51.845 ; NMOS5.2@88.138,50.533 ccw(c88.138,51.055) NMOS5.2@88.507,50.686 ; NMOS5.2@88.219,50.186 ccw(c87.188,51.217) 88.646,51.217 ; MDE_STM32F407Z.211@88.25,52.825 cw(c87.295,53.78) 87.295,52.429 cw(c87.295,51.078) 88.25,52.033 cw(c87.295,51.078) 88.646,51.078 cw(c89.997,51.078) MDE_STM32F407Z.211@89.042,52.033 ; NMOS5.2@88.405,50.267 cw(c89.171,50.267) 88.629,50.809 ; 94.818,34.29 94.996,34.468 ; v1@96.677,61.55 cw(c95.96,60.692) CAN_AX_EEPROM.11@97.079,60.692 ; v1@96.756,61.511 cw(c96.587,60.795) CAN_AX_EEPROM.11@97.224,61.163 ; CAN_AX_EEPROM.11@96.808,61.038 ccw(c96.466,61.363) v1(96.799,61.697) 97.079,61.417 ; v1@96.821,61.507 cw(c96.856,61.195) 97.079,61.417 ; v1@96.825,61.508 cw(c96.862,61.23) 97.105,61.37 ; CAN_AX_EEPROM.11@96.905,61.115 ccw(c96.729,61.417) 97.079,61.417 ; v1@96.989,61.675 ccw(c97.301,61.64) 97.079,61.417 ; 97.076,61.42 cw(c96.749,61.094) CAN_AX_EEPROM.11@97.084,60.775 ; CAN_AX_EEPROM.11@97.079,60.731 97.079,61.417 ; CAN_AX_EEPROM.11@97.269,61.153 cw(c97.357,61.417) 97.079,61.417 ; 109.677,34.29 109.753,34.366 ; 117.932,34.341 118.125,34.533 ; MPUMOS.2@118.556,83.628 ccw(c118.101,84.083) 118.745,84.083 ccw(c119.389,84.083) MPUMOS.2@118.934,83.628 ; MPUMOS.2@118.745,83.439 118.745,85.293 119.253,85.801 121.615,85.801 122.199,85.217 122.199,77.622 123.317,76.505 130.398,76.505 130.632,76.271 SWD.2@131.902,76.271 ; RB_10K_1.1@119.396,105.572 ccw(c118.637,106.331) 119.71,106.331 ccw(c120.783,106.331) RB_10K_1.1@120.025,105.572 ; NMOS0.2@119.522,107.126 cw(c119.066,106.671) 119.71,106.671 cw(c120.354,106.671) NMOS0.2@119.899,107.126 ; RB_10K_1.1@119.613,105.482 cw(c120.306,104.789) RB_10K_1.1@120.306,105.769 ; NMOS0.2@119.71,107.315 RB_10K_1.1@119.71,105.258 120.222,105.769 MDE_STM32F407Z.215@124.206,105.769 ; RB_10K_1.1@119.882,105.213 cw(c121.225,103.869) 121.225,105.769 ; RB_10K_1.1@120.152,104.943 cw(c122.145,102.95) 122.145,105.769 ; MDE_STM32F407Z.215@123.81,105.373 ccw(c122.855,104.418) 122.855,105.769 ccw(c122.855,107.12) MDE_STM32F407Z.215@123.81,106.165 ; 128.067,34.341 128.092,34.366 ; HF_IMU.1@131.445,109.499 131.75,109.499 HF_IMU.1@131.902,109.652 ; 135.104,104.663 135.344,104.902 ; 135.19,60.263 135.382,60.071 ; 135.217,96.926 135.344,97.053 ; 135.23,65.253 135.382,65.1 ; 135.279,86.121 135.344,86.055 ; 135.293,96.088 135.344,96.037 ; 135.331,51.714 135.382,51.664 ; 135.337,76.271 135.382,76.225 ; 135.346,41.747 135.382,41.783
  Top Layer w0.508: 77.724,68.605 78.054,68.275 SPI1.1@81.255,68.275 ; 77.724,78.486 77.967,78.243 SPI1.9@81.255,78.243 ; 77.724,86.639 77.902,86.462 UART2.1@81.255,86.462 ; 77.724,91.465 77.739,91.451 UART2.5@81.255,91.451 ; 77.724,99.797 77.775,99.746 UART4.1@81.255,99.746 ; 77.724,104.953 77.942,104.735 UART4.5@81.255,104.735 82.612,104.735 83.729,105.853 88.562,105.853 MDE_STM32F407Z.206@88.646,105.769 ; 77.749,54.966 IIC.1@81.255,54.966 ; 77.891,59.955 IIC.5@81.255,59.955 ; pad.1@79.146,120.574 83.185,120.574 84.353,119.405 Battery_In1.2@84.353,116.65 ; pad.1@79.668,120.052 cw(c80.928,118.792) 80.928,120.574 cw(c80.928,122.355) pad.1@79.668,121.096 ; pad.1@80.027,119.693 cw(c82.155,117.566) 82.155,120.574 cw(c82.155,123.582) pad.1@80.027,121.455 ; Battery_In1.2@83.649,117.355 ccw(c81.949,119.055) 84.353,119.055 ccw(c86.758,119.055) Battery_In1.2@85.058,117.355 ; 84.707,105.853 cw(c84.707,104.37) MDE_STM32F407Z.208@85.755,105.418 ; 85.028,34.508 motor1.9@85.028,37.795 ; 85.11,105.853 ccw(c85.11,106.765) MDE_STM32F407Z.208@85.755,106.12 ; MDE_STM32F407Z.208@86.457,105.418 cw(c87.505,104.37) 87.505,105.853 ; MDE_STM32F407Z.208@86.457,106.12 ccw(c87.102,106.765) 87.102,105.853 ; 87.247,105.853 cw(c87.247,104.37) MDE_STM32F407Z.206@88.295,105.418 ; 87.65,105.853 ccw(c87.65,106.765) MDE_STM32F407Z.206@88.295,106.12 ; 94.996,34.468 motor1.1@94.996,37.795 ; 118.125,34.533 motor2.9@118.125,37.795 ; MDE_STM32F407Z.212@124.206,52.429 MDE_STM32F407Z.213@126.746,52.429 127.461,51.714 ; MDE_STM32F407Z.215@124.206,105.769 MDE_STM32F407Z.214@126.746,105.769 127.852,104.663 HF_IMU.5@131.902,104.663 ; MDE_STM32F407Z.212@124.557,52.078 cw(c125.403,51.232) 125.403,52.429 cw(c125.403,53.627) MDE_STM32F407Z.212@124.557,52.78 ; MDE_STM32F407Z.215@124.557,105.418 cw(c125.403,104.572) 125.403,105.769 cw(c125.403,106.967) MDE_STM32F407Z.215@124.557,106.12 ; MDE_STM32F407Z.213@126.395,52.078 ccw(c125.549,51.232) 125.549,52.429 ccw(c125.549,53.627) MDE_STM32F407Z.213@126.395,52.78 ; MDE_STM32F407Z.214@126.395,105.418 ccw(c125.549,104.572) 125.549,105.769 ccw(c125.549,106.967) MDE_STM32F407Z.214@126.395,106.12 ; MDE_STM32F407Z.214@126.746,105.273 cw(c126.746,104.076) 127.593,104.922 cw(c128.439,105.769) MDE_STM32F407Z.214@127.242,105.769 ; MDE_STM32F407Z.213@126.809,51.937 cw(c126.908,51.162) 127.461,51.714 ; MDE_STM32F407Z.213@127.238,52.366 ccw(c128.013,52.267) 127.461,51.714 ; 128.092,34.366 motor2.1@128.092,37.795 ; motor3.9@131.902,41.747 135.346,41.747 ; motor3.1@131.902,51.714 127.461,51.714 ; USART6.5@131.902,60.263 135.19,60.263 ; USART6.1@131.902,65.253 135.23,65.253 ; SWD.2@131.902,76.271 135.337,76.271 ; Terminal.9@131.902,86.121 135.279,86.121 ; Terminal.1@131.902,96.088 135.293,96.088 ; HF_IMU.1@131.902,109.652 135.319,109.652 135.344,109.677 ; motor3.1@132.105,51.714 135.331,51.714 ; HF_IMU.5@132.105,104.663 135.104,104.663
  Top Layer w0.635: 109.753,34.366 GPS.1@109.753,37.795
  Top Layer w1.27: 77.724,53.686 ccw(c79.321,53.686) IIC.6@78.192,52.557 ; 77.724,61.235 cw(c79.321,61.235) IIC.7@78.192,62.364 ; 77.724,64.009 ccw(c79.321,64.009) IIC.7@78.192,62.88 ; 77.724,64.221 cw(c79.321,64.221) SPI1.10@78.192,65.35 ; 77.724,66.995 ccw(c79.321,66.995) SPI1.10@78.192,65.866 ; 77.724,79.523 cw(c79.321,79.523) SPI1.11@78.192,80.652 ; 77.724,82.297 ccw(c79.321,82.297) SPI1.11@78.192,81.168 ; 77.724,82.407 cw(c79.321,82.407) UART2.6@78.192,83.537 ; 77.724,85.182 ccw(c79.321,85.182) UART2.6@78.192,84.053 ; 77.724,92.731 cw(c79.321,92.731) UART2.7@78.192,93.86 ; 77.724,95.505 ccw(c79.321,95.505) UART2.7@78.192,94.376 ; 77.724,95.692 cw(c79.321,95.692) UART4.6@78.192,96.821 ; 77.724,98.466 ccw(c79.321,98.466) UART4.6@78.192,97.337 ; 77.724,106.015 cw(c79.321,106.015) UART4.7@78.192,107.144 ; SERVO.3@77.876,116.557 77.97,116.65 Battery_In1.2@84.353,116.65 ; UART4.7@78.334,107.402 77.724,106.792 77.724,104.953 77.724,99.797 77.724,91.465 77.724,86.639 77.724,78.486 77.724,68.605 77.724,60.122 77.724,54.991 77.724,52.908 IIC.6@78.334,52.299 79.578,52.299 80.264,51.613 ; IIC.6@78.476,52.041 cw(c74.158,47.723) 80.264,47.723 ; IIC.6@78.847,51.952 cw(c79.28,50.628) 80.264,51.613 ; pad.4@79.146,35.687 82.042,35.687 82.296,35.433 82.296,37.338 80.264,39.37 80.264,46.025 80.264,51.613 ; IIC.6@79.374,52.939 cw(c77.224,50.789) 80.264,50.789 ; pad.4@79.758,35.075 cw(c81.235,33.599) 81.235,35.687 cw(c81.235,37.775) pad.4@79.758,36.299 ; pad.4@80.484,35.687 cw(c80.484,33.396) motor1.11@82.103,35.016 ; 82.296,36.313 ccw(c83.4,36.313) motor1.11@82.619,35.532 ; motor1.11@82.361,34.874 82.946,34.29 84.811,34.29 94.818,34.29 109.677,34.29 111.836,34.29 GPS.7@112.42,34.874 113.055,34.239 114.823,34.239 motor2.11@115.458,34.874 ; motor1.11@82.619,34.732 ccw(c83.687,35.8) 83.687,34.29 ; Battery_In1.2@83.919,116.216 ccw(c82.869,115.166) 82.869,116.65 ccw(c82.869,118.135) Battery_In1.2@83.919,117.085 ; 96.337,34.29 ccw(c96.337,35.8) motor1.10@97.405,34.732 ; motor1.10@97.921,34.732 ccw(c98.989,35.8) 98.989,34.29 ; 99.527,34.29 ccw(c99.527,35.8) GPS.8@100.595,34.732 ; SERVO3.6@99.842,41.829 cw(c97.403,39.39) 100.853,39.39 ; SERVO3.6@99.898,41.798 cw(c99.619,40.596) 100.853,40.596 ; SERVO3.6@99.924,41.91 100.853,40.981 GPS.8@100.853,34.874 ; GPS.8@101.111,34.732 ccw(c102.178,35.8) 102.178,34.29 ; 111.095,34.29 ccw(c111.095,35.8) GPS.7@112.162,34.732 ; GPS.7@112.678,34.732 ccw(c113.869,35.923) 113.869,34.239 ; 114.009,34.239 ccw(c114.009,35.923) motor2.11@115.2,34.732 ; SERVO2.3@115.082,41.829 cw(c114.176,40.923) 115.458,40.923 ; SERVO2.3@115.164,41.91 115.458,41.616 motor2.11@115.458,34.874 ; motor2.11@115.716,34.732 ccw(c116.661,35.677) 116.661,34.341 ; 129.556,34.341 ccw(c129.556,35.677) motor2.10@130.501,34.732 ; motor2.10@130.501,35.532 ccw(c128.652,37.382) 131.267,37.382 ; pad.2@133.399,119.962 cw(c129.592,116.155) 134.976,116.155 ; pad.3@133.485,36.374 ccw(c131.419,39.08) motor3.11@134.823,39.08 ; pad.3@134.01,35.687 134.823,36.5 motor3.11@134.823,39.08 ; pad.2@134.01,120.574 134.976,119.609 134.976,112.471 HF_IMU.6@134.823,112.319 HF_IMU.6@134.62,112.116 ; motor3.11@134.156,39.328 cw(c132.156,41.183) 132.156,38.456 ; pad.2@134.297,120.86 cw(c132.658,119.221) 134.976,119.221 ; HF_IMU.6@134.565,112.577 ccw(c133.574,113.568) 134.976,113.568 ; HF_IMU.6@134.696,112.7 135.344,112.052 135.344,109.677 135.344,104.902 135.344,97.053 135.344,96.037 135.344,86.055 135.344,83.974 Terminal.11@134.823,83.454 135.382,82.895 135.382,76.225 135.382,65.1 135.382,60.071 135.382,51.664 135.382,41.783 135.382,39.639 motor3.11@134.823,39.08 ; motor3.11@134.965,39.338 ccw(c133.959,40.344) 135.382,40.344 ; motor3.10@134.965,54.123 cw(c133.959,53.117) 135.382,53.117 ; motor3.10@134.965,54.639 ccw(c133.959,55.646) 135.382,55.646 ; USART6.7@134.965,57.338 cw(c133.959,56.332) 135.382,56.332 ; USART6.7@134.965,57.854 ccw(c133.959,58.861) 135.382,58.861 ; USART6.6@134.965,67.662 cw(c133.959,66.655) 135.382,66.655 ; USART6.6@134.965,68.178 ccw(c133.959,69.184) 135.382,69.184 ; SWD.6@134.965,70.846 cw(c133.959,69.839) 135.382,69.839 ; SWD.6@134.965,71.362 ccw(c133.959,72.368) 135.382,72.368 ; SWD.5@134.965,79.93 cw(c133.959,78.923) 135.382,78.923 ; SWD.5@134.965,80.446 ccw(c133.959,81.452) 135.382,81.452 ; Terminal.11@134.965,83.196 cw(c133.959,82.189) 135.382,82.189 ; Terminal.11@134.965,83.712 ccw(c134.051,84.626) 135.344,84.626 ; Terminal.10@134.965,98.497 cw(c134.051,97.583) 135.344,97.583 ; Terminal.10@134.965,99.013 ccw(c134.051,99.928) 135.344,99.928 ; HF_IMU.7@134.965,101.738 cw(c134.051,100.823) 135.344,100.823 ; HF_IMU.7@134.965,102.254 ccw(c134.051,103.168) 135.344,103.168 ; HF_IMU.6@134.965,112.061 cw(c134.051,111.146) 135.344,111.146 ; motor2.11@115.458,34.874 115.991,34.341 117.932,34.341 128.067,34.341 130.226,34.341 motor2.10@130.759,34.874 131.267,35.382 131.267,37.567 132.156,38.456 ; 132.156,38.456 134.199,38.456 motor3.11@134.823,39.08
  Top Layer w2.032: SERVO3.12@93.828,41.91 SERVO3.9@96.876,41.91 SERVO3.6@99.924,41.91 SERVO3.3@102.972,41.91 SERVO2.12@106.02,41.91 SERVO2.9@109.068,41.91 SERVO2.6@112.116,41.91 SERVO2.3@115.164,41.91 SERVO1.12@118.212,41.91 SERVO1.9@121.26,41.91 SERVO1.6@124.308,41.91 SERVO1.3@127.356,41.91
  Top Layer w2.54: Battery_In1.2@84.353,116.625 Battery_In2.2@90.221,116.625 ; Battery_In2.2@90.221,116.65 93.816,116.65 94.183,117.018 94.183,119.05 MDE_POWER.5@94.183,121.082
  Bottom Layer w0.381: MDE_STM32F407Z.208@85.749,106.2 ccw(c85.12,106.959) 86.106,106.959 ; MDE_STM32F407Z.208@86.106,105.769 86.106,106.959 ; MDE_STM32F407Z.208@86.463,106.2 cw(c87.092,106.959) 86.106,106.959 ; v1@96.665,61.831 ccw(c96.339,62.157) 96.799,62.157 ccw(c97.259,62.157) v1@96.934,61.831 ; v1(96.799,61.697) 96.799,64.287 99.238,66.726 99.238,82.804 99.847,83.414 99.847,102.006 100.152,102.311 100.152,106.782 100.254,106.883 99.289,107.848 86.995,107.848 86.106,106.959
  Bottom Layer w0.762: CP2102USB.5@118.205,104.032 cw(c117.576,103.403) 118.466,103.403 cw(c119.355,103.403) CP2102USB.5@118.726,104.032 ; CP2102USB.5@118.466,104.292 118.466,102.565 118.923,102.108 122.199,102.108 122.733,102.641 122.733,104.296 MDE_STM32F407Z.215@124.206,105.769 ; MDE_STM32F407Z.215@123.837,105.769 cw(c122.946,105.769) 123.576,105.139 cw(c124.206,104.509) MDE_STM32F407Z.215@124.206,105.4
  Bottom Layer w1.27: Battery_In2.2@90.17,116.625 92.544,116.625 96.063,113.106 109.855,113.106 118.364,121.615 132.969,121.615 pad.2@134.01,120.574 ; Battery_In2.2@90.656,116.216 cw(c91.644,115.227) 91.644,116.625 ; Battery_In2.2@90.656,117.085 ccw(c91.767,118.196) 91.767,116.625 ; 129.408,121.615 cw(c129.408,115.971) pad.2@133.399,119.962 ; 132.474,121.615 cw(c132.474,119.037) pad.2@134.297,120.86
  Bottom Layer w2.54: Battery_In1.2@84.303,116.625 Battery_In2.2@90.17,116.625
I2C1_SCL: IMU.3 MDE_STM32F407Z.136 | length 59.3
  Top Layer w0.152: IMU.3@102.75,82.493 ccw(c101.601,83.642) 103.226,83.642 ccw(c104.851,83.642) IMU.3@103.702,82.493 ; IMU.3@102.857,82.385 ccw(c101.969,83.274) 103.226,83.274 ccw(c104.483,83.274) IMU.3@103.594,82.385 ; IMU.3@102.965,82.277 ccw(c102.336,82.906) 103.226,82.906 ccw(c104.115,82.906) IMU.3@103.486,82.277 ; v1@103.016,83.804 cw(c102.473,83.358) 103.168,83.254 ; v1@103.035,83.782 cw(c102.576,83.323) 103.226,83.323 ; v1@103.07,83.753 cw(c102.791,83.375) 103.255,83.445 ; v1@103.133,83.901 cw(c102.83,83.651) 103.218,83.593 ; 103.179,83.332 cw(c103.813,83.237) v1@103.432,83.753 ; 103.226,83.201 cw(c104.048,83.201) v1@103.467,83.782 ; 103.226,83.569 cw(c103.68,83.569) v1@103.359,83.89 ; v1(103.251,83.998) 103.226,83.972 IMU.3@103.226,82.017 IMU.3@103.556,82.347 ; 103.259,83.416 cw(c103.577,83.464) v1@103.41,83.738 ; v1@105.873,99.447 ccw(c106.501,100.075) 106.501,99.187 ; v1@105.981,99.124 cw(c106.134,98.971) 106.134,99.187 cw(c106.134,99.707) v1(105.766,99.339) 105.918,99.187 125.708,99.187 ; v1@105.981,99.555 ccw(c106.869,100.443) 106.869,99.187 ; MDE_STM32F407Z.136@126.074,98.2 ccw(c124.816,98.295) 125.708,99.187 ; MDE_STM32F407Z.136@126.226,98.188 ccw(c125.253,98.262) 125.943,98.952 ccw(c126.633,99.643) MDE_STM32F407Z.136@126.707,98.669 ; MDE_STM32F407Z.136@126.378,98.177 ccw(c125.689,98.229) 126.178,98.717 ccw(c126.666,99.206) MDE_STM32F407Z.136@126.718,98.517 ; MDE_STM32F407Z.136@126.695,98.821 cw(c126.6,100.079) 125.708,99.187 ; MDE_STM32F407Z.136@126.746,98.149 125.708,99.187
  Bottom Layer w0.152: v1(103.251,83.998) 104.8,85.547 104.8,98.908 105.232,99.339 ; v1@103.251,84.303 ccw(c103.251,85.038) 103.771,84.518 ccw(c104.292,83.998) v1@103.556,83.998 ; v1@105.503,99.185 ccw(c105.232,99.025) 105.232,99.339 ; v1@105.503,99.494 cw(c105.232,99.654) 105.232,99.339 ; v1(105.766,99.339) 105.232,99.339